# EAGLE board ControlModule-pan2 (EAGLE 7.2.0), part 6 of 9
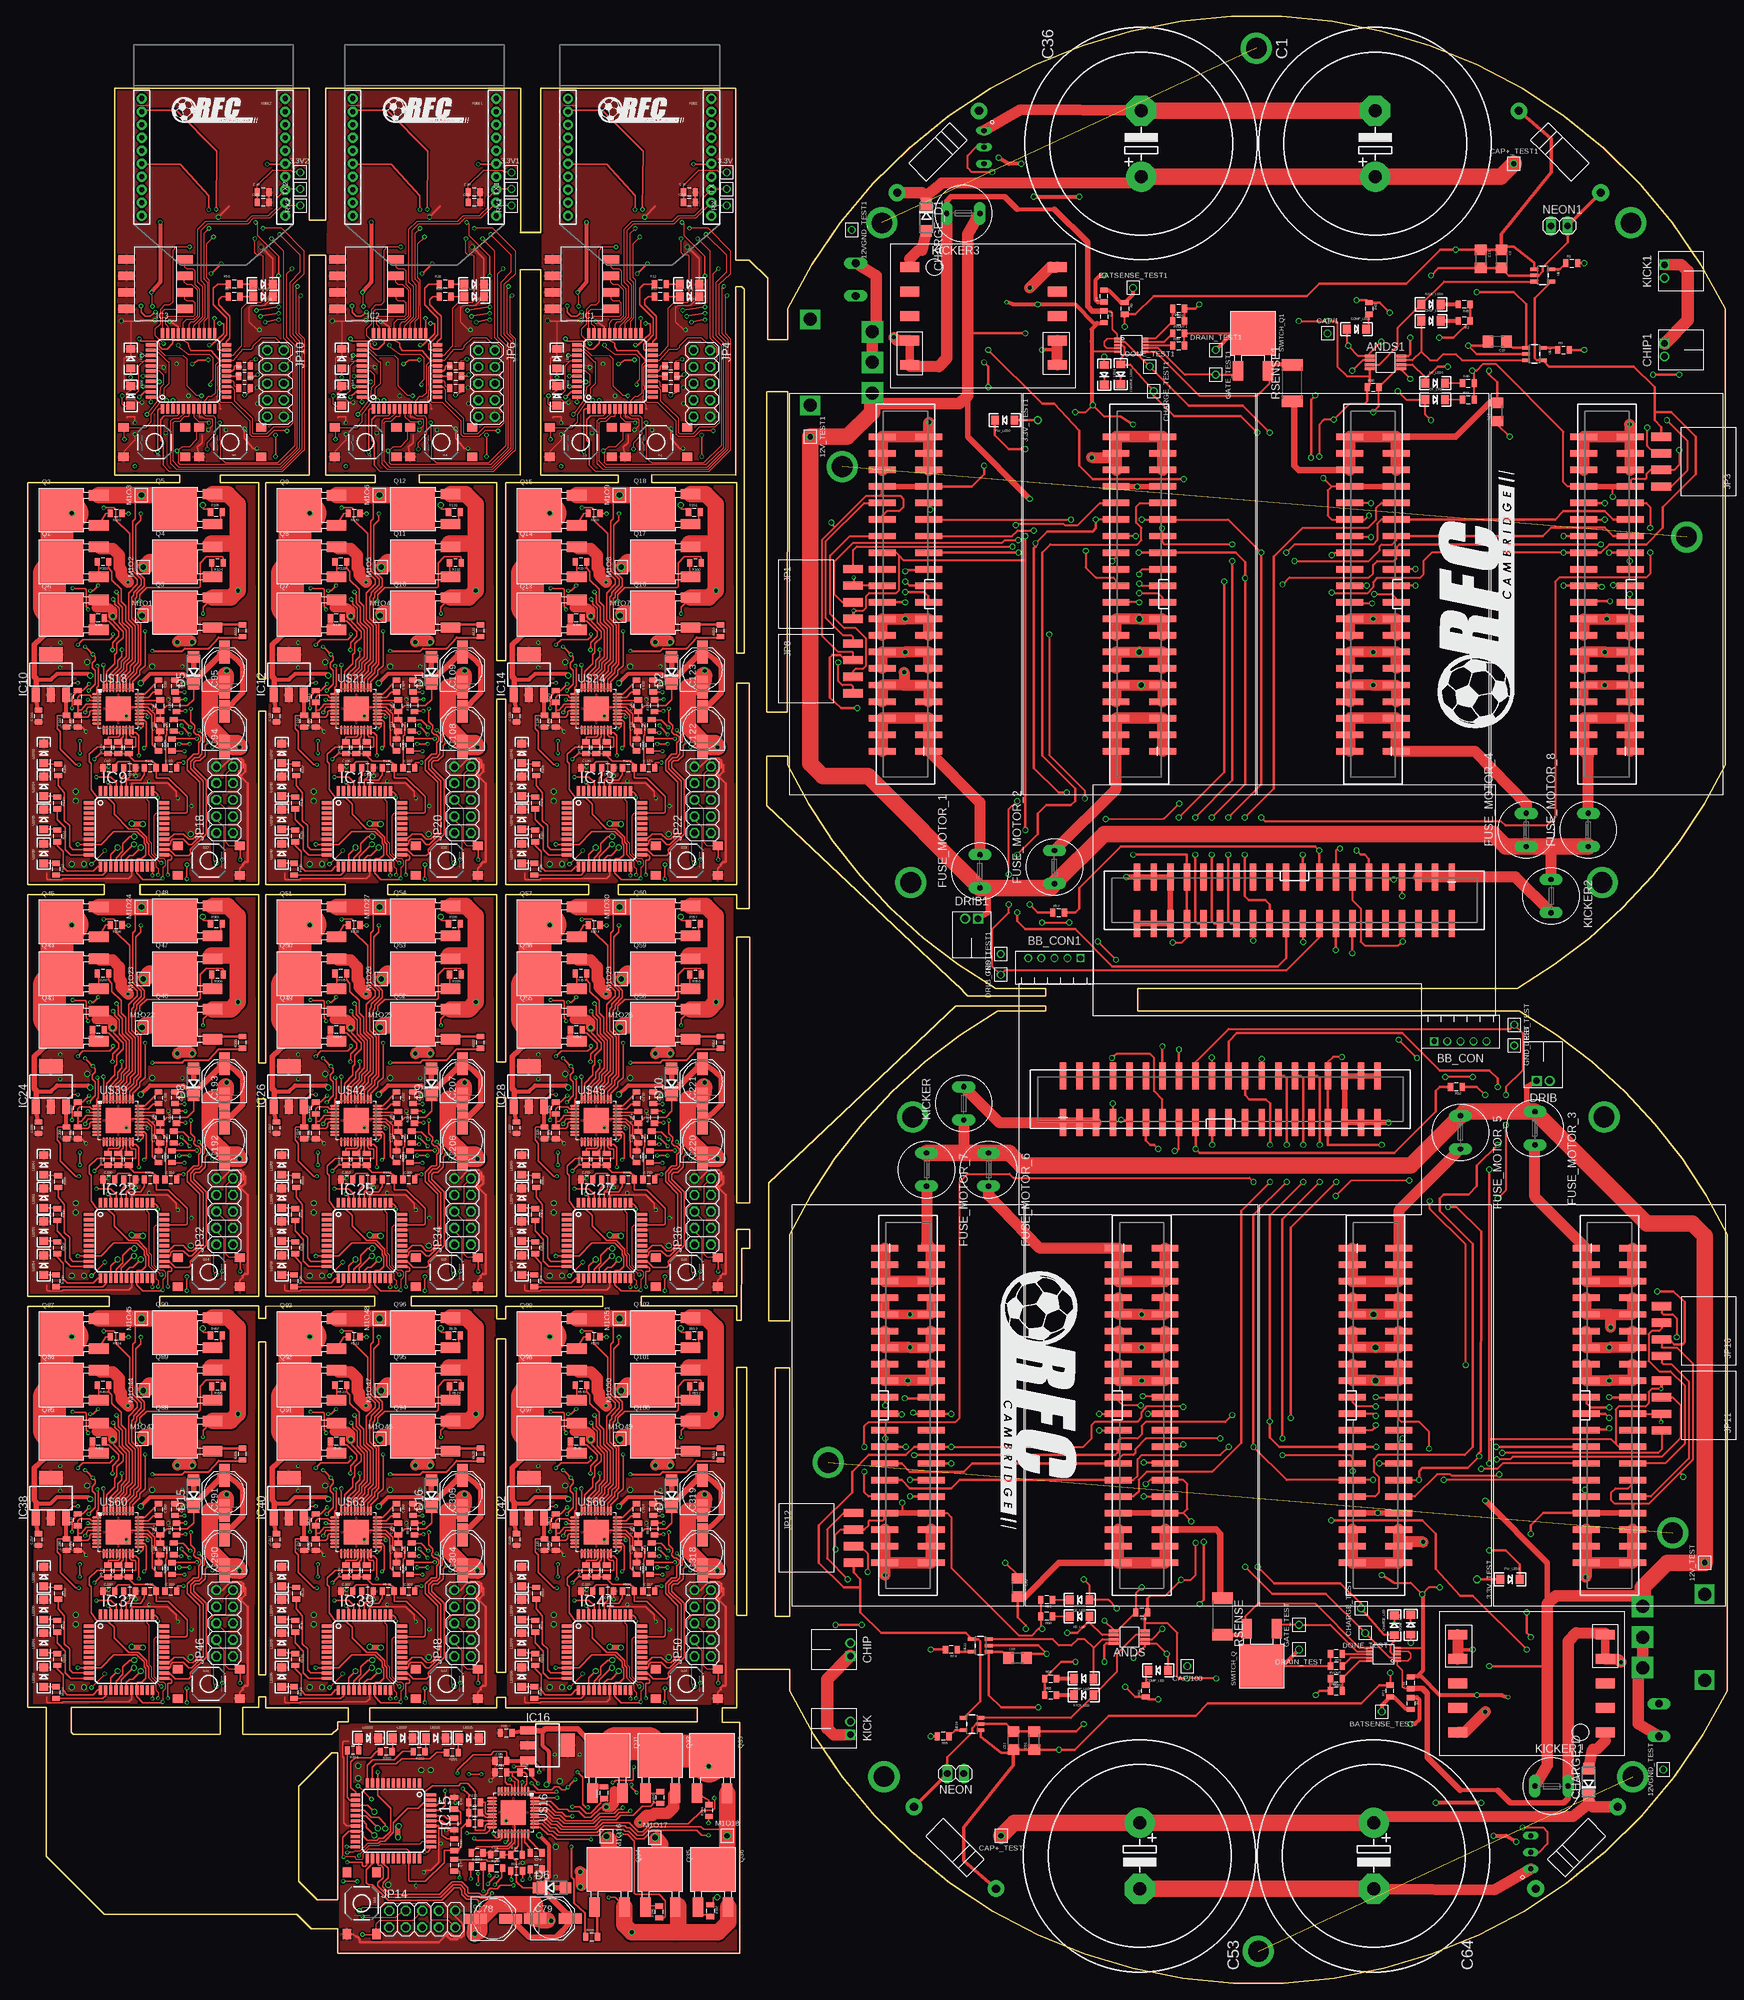
[diagram p0: board, top side]
## Tracks (layer width: path | path; a pad name or v marks a point on that pad's centre or on a via) (continued)
M1H28  (via drill 0.3) (continued)
  Bottom 0.254: 84.02,147.16 83.39,146.53 83.39,141.68 84,141.07 v84,138.99 84.11,138.82 84.18,138.75 84.49,138.43 89.82,138.43 91.88,136.37 93.39,136.37 93.63,136.13 JP35.21 | 84.02,147.16 84.03,147.16 | R366.1 81.01,151.93 80.9,151.98 R366.1 | 84.02,147.16 84.02,150.47 83.32,151.18 80.9,151.18 R366.1
M1H29  (via drill 0.3, 0.38)
  Top 0.254: v82.69,135.19 83.71,136.21 83.71,138.27 83.23,138.75 83.23,139.39 83.71,139.86 83.71,140.34 | 83.71,140.34 v82.12,141.93 | v82.6,147.64 82.6,147.8 82.28,148.12 82.28,150.66 82.12,150.82 80.38,150.82 v80.22,150.9 | v83.33,140.75 83.71,140.34 | U$45.3 82.68,133.65 v82.54,133.79
  Bottom 0.254: v82.12,141.93 82.12,147.16 v82.6,147.64 | v80.22,150.9 80.22,151.13 80.06,151.45 80.06,153.51 R368.1 | JP35.20 83.84,137.64 83.71,137.77 83.71,138.27 83.23,138.75 83.23,139.39 83.33,139.48 v83.33,140.75 | v82.54,133.79 82.54,135.04 v82.69,135.19
M1H30  (via drill 0.3)
  Top 0.254: U$45.5 82.51,132.65 82.22,131.92 v82.15,131.86 | v86.41,143.83 86.41,143.51 85.93,143.04 81.8,143.04 v81.01,142.24
  Bottom 0.254: R367.1 80.9,149.65 80.27,149.65 80.06,149.63 80.06,148.75 80.38,148.36 81.01,148.36 81.49,147.88 81.49,143.51 81.01,143.04 v81.01,142.24 81.01,137.27 81.65,136.63 81.65,132.88 v82.15,131.86 | JP35.19 93.63,138.51 93.87,138.75 95.93,138.75 96.41,139.23 96.41,141.51 97.14,142.24 97.14,143.04 96.35,143.83 92.28,143.83 92.12,143.67 86.88,143.67 86.73,143.83 v86.41,143.83
M1H43  (via drill 0.3)
  Top 0.254: U$60.1 10.58,72.45 10.81,72.68 10.81,75.6 v10.64,75.8 v10.66,75.8
  Bottom 0.254: 10.68,83.98 10.05,83.35 10.05,78.49 10.66,77.89 v10.66,75.8 10.77,75.64 10.83,75.57 11.15,75.25 16.48,75.25 18.54,73.19 20.05,73.19 20.29,72.95 JP45.21 | 10.68,83.98 | R506.1 7.67,88.74 7.56,88.8 R506.1 | 10.68,83.98 10.68,87.29 9.98,87.99 7.56,87.99 R506.1
M1H44  (via drill 0.3, 0.38)
  Top 0.254: v9.35,72.01 10.37,73.03 10.37,75.09 9.89,75.57 9.89,76.2 10.37,76.68 10.37,77.16 | 10.37,77.16 v8.78,78.74 | v9.26,84.46 9.26,84.62 8.94,84.93 8.94,87.47 8.78,87.63 7.03,87.63 v6.87,87.71 | v9.99,77.57 10.37,77.16 | U$60.3 9.34,70.47 v9.2,70.61
  Bottom 0.254: v8.78,78.74 8.78,83.98 v9.26,84.46 | v6.87,87.71 6.87,87.95 6.72,88.27 6.72,90.33 R508.1 | JP45.20 10.49,74.46 10.37,74.58 10.37,75.09 9.89,75.57 9.89,76.2 9.99,76.3 v9.99,77.57 | v9.2,70.61 9.2,71.86 v9.35,72.01
M1H45  (via drill 0.3)
  Top 0.254: U$60.5 9.16,69.47 8.87,68.73 v8.81,68.68 | v13.07,80.65 13.07,80.33 12.59,79.85 8.46,79.85 v7.67,79.06
  Bottom 0.254: R507.1 7.56,86.47 6.93,86.47 6.72,86.44 6.72,85.57 7.03,85.17 7.67,85.17 8.14,84.7 8.14,80.33 7.67,79.85 v7.67,79.06 7.67,74.08 8.3,73.45 8.3,69.69 v8.81,68.68 | JP45.19 20.29,75.33 20.53,75.57 22.59,75.57 23.07,76.04 23.07,78.33 23.8,79.06 23.8,79.85 23,80.65 18.94,80.65 18.78,80.49 13.54,80.49 13.38,80.65 v13.07,80.65
M1H46  (via drill 0.3)
  Top 0.254: U$63.1 47.09,72.45 47.32,72.68 47.32,75.6 47.16,75.8 v47.17,75.8
  Bottom 0.254: 47.19,83.98 46.56,83.35 46.56,78.49 47.17,77.89 v47.17,75.8 47.28,75.64 47.35,75.57 47.66,75.25 52.99,75.25 55.05,73.19 56.56,73.19 56.8,72.95 JP47.21 | 47.19,83.98 47.2,83.98 | R534.1 44.18,88.74 44.07,88.8 R534.1 | 47.19,83.98 47.19,87.29 46.49,87.99 44.07,87.99 R534.1
M1H47  (via drill 0.3, 0.38)
  Top 0.254: v45.86,72.01 46.88,73.03 46.88,75.09 46.4,75.57 46.4,76.2 46.88,76.68 46.88,77.16 | 46.88,77.16 v45.29,78.74 | v45.77,84.46 45.77,84.62 45.45,84.93 45.45,87.47 45.29,87.63 43.55,87.63 v43.39,87.71 | v46.5,77.57 46.88,77.16 | U$63.3 45.85,70.47 v45.71,70.61
  Bottom 0.254: v45.29,78.74 45.29,83.98 v45.77,84.46 | v43.39,87.71 43.39,87.95 43.23,88.27 43.23,90.33 R536.1 | JP47.20 47.01,74.46 46.88,74.58 46.88,75.09 46.4,75.57 46.4,76.2 46.5,76.3 v46.5,77.57 | v45.71,70.61 45.71,71.86 v45.86,72.01
M1H48  (via drill 0.3)
  Top 0.254: U$63.5 45.68,69.47 45.39,68.73 v45.32,68.68 | v49.58,80.65 49.58,80.33 49.1,79.85 44.97,79.85 v44.18,79.06
  Bottom 0.254: R535.1 44.07,86.47 43.44,86.47 43.23,86.44 43.23,85.57 43.55,85.17 44.18,85.17 44.66,84.7 44.66,80.33 44.18,79.85 v44.18,79.06 44.18,74.08 44.82,73.45 44.82,69.69 v45.32,68.68 | JP47.19 56.8,75.33 57.04,75.57 59.1,75.57 59.58,76.04 59.58,78.33 60.31,79.06 60.31,79.85 59.52,80.65 55.45,80.65 55.29,80.49 50.05,80.49 49.9,80.65 v49.58,80.65
M1H49  (via drill 0.3)
  Top 0.254: U$66.1 83.92,72.45 84.15,72.68 84.15,75.6 83.99,75.8 v84,75.8
  Bottom 0.254: 84.02,83.98 83.39,83.35 83.39,78.49 84,77.89 v84,75.8 84.11,75.64 84.18,75.57 84.49,75.25 89.82,75.25 91.88,73.19 93.39,73.19 93.63,72.95 JP49.21 | 84.02,83.98 84.03,83.98 | R562.1 81.01,88.74 80.9,88.8 R562.1 | 84.02,83.98 84.02,87.29 83.32,87.99 80.9,87.99 R562.1
M1H50  (via drill 0.3, 0.38)
  Top 0.254: v82.69,72.01 83.71,73.03 83.71,75.09 83.23,75.57 83.23,76.2 83.71,76.68 83.71,77.16 | 83.71,77.16 v82.12,78.74 | v82.6,84.46 82.6,84.62 82.28,84.93 82.28,87.47 82.12,87.63 80.38,87.63 v80.22,87.71 | v83.33,77.57 83.71,77.16 | U$66.3 82.68,70.47 v82.54,70.61
  Bottom 0.254: v82.12,78.74 82.12,83.98 v82.6,84.46 | v80.22,87.71 80.22,87.95 80.06,88.27 80.06,90.33 R564.1 | JP49.20 83.84,74.46 83.71,74.58 83.71,75.09 83.23,75.57 83.23,76.2 83.33,76.3 v83.33,77.57 | v82.54,70.61 82.54,71.86 v82.69,72.01
M1H51  (via drill 0.3)
  Top 0.254: U$66.5 82.51,69.47 82.22,68.73 v82.15,68.68 | v86.41,80.65 86.41,80.33 85.93,79.85 81.8,79.85 v81.01,79.06
  Bottom 0.254: R563.1 80.9,86.47 80.27,86.47 80.06,86.44 80.06,85.57 80.38,85.17 81.01,85.17 81.49,84.7 81.49,80.33 81.01,79.85 v81.01,79.06 81.01,74.08 81.65,73.45 81.65,69.69 v82.15,68.68 | JP49.19 93.63,75.33 93.87,75.57 95.93,75.57 96.41,76.04 96.41,78.33 97.14,79.06 97.14,79.85 96.35,80.65 92.28,80.65 92.12,80.49 86.88,80.49 86.73,80.65 v86.41,80.65
M1O1  (via drill 0.6)
  Top 0.254: U$18.39 12.11,201.29 13.35,202.54 13.35,203.87 13.67,204.19 13.67,205.58 14.62,206.54 14.62,207.46 13.16,208.98 13.11,209.24 13.15,209.24 13.15,209.32 | 13.15,209.32 | 13.15,209.32 13.15,209.7 v13.02,209.83
  Top 0.305: 11.64,212.25 10.96,212.25 Q6.SOURCE
  Top 0.813: 11.64,211.14 11.64,212.25 | Q3.DRAIN 22.27,210.03 22.27,209.87 20.73,209.87 20.65,209.95 | 20.13,209.95 20.08,210 20.04,210 | M1O1.P$1 17.79,210.29 18.02,210.19
  Top 1.422: 11.64,211.14 10.5,211.08 12.5,211.07 13.02,210.62 v13.02,209.83
  Top 2.54: 18.02,210.19 20.37,210.18 | 20.65,209.95 20.47,210.13 20.37,210.18 | 20.37,210.18 20.13,209.95
  Bottom 0.406: JP17.12 13,210.84 12.77,210.84 13.15,210.45 13.15,209.32
  Bottom 0.813: JP17.11 20.08,210.78 20.08,209.87 19.92,209.87 19.66,210.13 19.95,210.13 20.13,209.95 | v13.02,209.83 13.16,209.78 | 13.16,209.78 13.16,209.71 | JP17.14 13.15,209.32 13.16,209.78 | JP17.13 20.29,209.35 19.92,209.71 | 20.13,209.95 20.15,209.98 | 20.13,209.95 17.59,209.95 M1O1.P$1
  Bottom 2.54: 20.08,209.87 19.92,209.71 13.16,209.71
M1O2  (via drill 0.38)
  Top 0.254: U$18.36 13.61,200.57 14.75,201.71 14.75,202.57 15.54,203.36 15.54,207.87 14.49,208.92 14.49,211.2 13.86,211.84 13.86,213.14 v13.6,213.52 | 11.11,220.19 Q1.SOURCE
  Top 0.813: 22.58,217.32 22.58,217.64 Q4.DRAIN | 13.97,219.25 13.97,219.21 14,219.17 | M1O2.P$1 17.85,217.45
  Top 1.422: 17.85,217.45 17.94,217.55 18.15,217.55
  Top 1.778: 11.11,220.19 13.03,220.19 13.97,219.25 | 14,219.17 14,217.27 14.32,216.95 14.32,216.07 v15.4,215
  Top 2.54: 18.15,217.55 18.73,218.13 Q4.DRAIN
  Bottom 0.254: JP17.9 21.39,214.63 21.39,214.74 | v13.6,213.52 13.36,213.31 JP17.10 | JP17.8 13.15,215.44 12.55,214.83
  Bottom 0.813: 12.55,214.83 12.55,214.12 JP17.10 | JP17.7 20.29,215.41 20.88,214.82
  Bottom 1.422: M1O2.P$1 17.7,215.76 18,216.07 18.89,216.07
  Bottom 1.778: v15.4,215 15.14,214.82 | 15.14,214.82
  Bottom 2.54: 12.55,214.83 15.14,214.82 20.88,214.82 21.31,214.82 21.39,214.74 | JP17.7 18.89,216.07
M1O3  (via drill 0.6)
  Top 0.254: U$18.33 15.11,200.17 16.24,201.3 | 16.24,201.3 | 23.23,226.06 23.23,226.14 21,228.37 | 16.24,201.3 16.24,201.97 16.91,202.65 16.91,208.42 15.91,209.42 15.91,212.7 16.21,213 16.21,213.45 17.38,214.62 17.38,215.45 16.07,216.77 16.07,224.37 16.46,224.76 16.46,227.17 16.59,227.3 17.35,227.3 17.48,227.43 17.48,228.32 M1O3.P$1
  Top 0.813: 21,228.37 23.23,228.37 | 23.23,226.06 22.75,226.06 Q5.DRAIN | v25.23,205.84 25.06,206
  Top 1.676: 25.06,206 23.1,206 v22.94,205.84
  Top 2.54: Q2.SOURCE M1O3.P$1 21,228.37
  Bottom 0.254: 14.71,205.9 14.48,205.71 11.93,205.71 12.27,205.36 12.27,203.49 13.02,203.49 JP17.18
  Bottom 0.61: 17.35,228.29 M1O3.P$1
  Bottom 0.813: v22.94,205.84 20.81,205.84 | 20.81,205.84 20.35,205.84 JP17.15 | JP17.17 21.16,203.36 21.22,203.43 21.22,203.88 21.19,203.91 | 21.11,205.26 21.11,205.54 20.81,205.84 | JP17.16 11.71,205.9 11.65,205.82
  Bottom 1.27: v25.23,205.84 25.78,206.39 25.78,206.42 | 14.71,205.9 20.23,205.9 JP17.15
  Bottom 1.422: 11.65,205.82 11.66,204.04 12.27,203.49
  Bottom 1.778: 25.78,206.42 25.78,207.16 24.65,208.29 24.65,225.2 21.48,228.37 M1O3.P$1 | 21.19,203.91 21.19,205.18 21.11,205.26
M1O4  (via drill 0.6)
  Top 0.254: U$21.39 48.62,201.29 49.86,202.54 49.86,203.87 50.18,204.19 50.18,205.58 51.13,206.54 51.13,207.46 49.67,208.98 49.62,209.24 49.66,209.24 49.66,209.32 49.67,209.32 49.67,209.7 v49.53,209.83
  Top 0.305: 48.15,212.25 47.47,212.25 Q7.SOURCE
  Top 0.813: 48.15,211.14 48.15,212.25 | Q10.DRAIN 58.79,210.03 58.79,209.87 57.25,209.87 57.16,209.95 | 56.64,209.95 56.59,210 56.55,210 | M1O4.P$1 54.3,210.29 54.53,210.19
  Top 1.422: 48.15,211.14 47.01,211.08 49.02,211.07 49.53,210.62 v49.53,209.83
  Top 2.54: 54.53,210.19 56.88,210.18 | 57.16,209.95 56.98,210.13 56.88,210.18 | 56.88,210.18 56.64,209.95
  Bottom 0.406: JP19.12 49.52,210.84 49.28,210.84 49.67,210.45 49.67,209.32
  Bottom 0.813: JP19.11 56.59,210.78 56.59,209.87 56.43,209.87 56.17,210.13 56.46,210.13 56.64,209.95 | v49.53,209.83 49.67,209.78 | 49.67,209.78 49.67,209.71 | JP19.14 49.67,209.32 49.67,209.78 | JP19.13 56.8,209.35 56.43,209.71 | 56.64,209.95 56.67,209.98 | 56.64,209.95 54.11,209.95 M1O4.P$1
  Bottom 2.54: 56.59,209.87 56.43,209.71 49.67,209.71
M1O5  (via drill 0.38)
  Top 0.254: U$21.36 50.12,200.57 51.26,201.71 51.26,202.57 52.05,203.36 52.05,207.87 51.01,208.92 51.01,211.2 50.37,211.84 50.37,213.14 v50.11,213.52 | 47.63,220.19 Q8.SOURCE
  Top 0.813: 59.09,217.32 59.1,217.64 Q11.DRAIN | 50.48,219.25 50.48,219.21 50.51,219.17 | M1O5.P$1 54.36,217.45
  Top 1.422: 54.36,217.45 54.46,217.55 54.67,217.55
  Top 1.778: 47.63,220.19 49.54,220.19 50.48,219.25 | 50.51,219.17 50.51,217.27 50.83,216.95 50.83,216.07 v51.91,215
  Top 2.54: 54.67,217.55 55.24,218.13 Q11.DRAIN
  Bottom 0.254: JP19.9 57.9,214.63 57.9,214.74 | v50.11,213.52 49.88,213.31 JP19.10 | JP19.8 49.66,215.44 49.06,214.83
  Bottom 0.813: 49.06,214.83 49.06,214.12 JP19.10 | JP19.7 56.8,215.41 57.39,214.82
  Bottom 1.422: M1O5.P$1 54.21,217.3 54.21,215.76 54.52,216.07 55.4,216.07
  Bottom 1.778: v51.91,215 51.65,214.82
  Bottom 2.54: 49.06,214.83 51.65,214.82 57.39,214.82 57.82,214.82 57.9,214.74 | JP19.7 55.4,216.07
M1O6  (via drill 0.6)
  Top 0.254: U$21.33 51.62,200.17 52.75,201.3 | 52.75,201.3 | 59.74,226.06 59.74,226.14 57.52,228.37 | 52.75,201.3 52.75,201.97 53.42,202.65 53.42,208.42 52.43,209.42 52.43,212.7 52.72,213 52.72,213.45 53.9,214.62 53.9,215.45 52.58,216.77 52.58,224.37 52.97,224.76 52.97,227.17 53.1,227.3 53.86,227.3 53.99,227.43 53.99,228.32 M1O6.P$1
  Top 0.813: 57.52,228.37 59.74,228.37 | 59.74,226.06 59.26,226.06 Q12.DRAIN | v61.74,205.84 61.58,206
  Top 1.676: 61.58,206 59.62,206 v59.45,205.84
  Top 2.54: Q9.SOURCE M1O6.P$1 57.52,228.37
  Bottom 0.254: 51.23,205.9 50.99,205.71 48.44,205.71 48.78,205.36 48.78,203.49 49.54,203.49 JP19.18
  Bottom 0.61: 53.86,228.29 M1O6.P$1
  Bottom 0.813: v59.45,205.84 57.32,205.84 | 57.32,205.84 56.86,205.84 JP19.15 | JP19.17 57.67,203.36 57.73,203.43 57.73,203.88 57.7,203.91 | 57.62,205.26 57.62,205.54 57.32,205.84 | JP19.16 48.22,205.9 48.17,205.82
  Bottom 1.27: v61.74,205.84 62.29,206.39 62.29,206.42 | 51.23,205.9 56.74,205.9 JP19.15
  Bottom 1.422: 48.17,205.82 48.18,204.04 48.78,203.49
  Bottom 1.778: 62.29,206.42 62.29,207.16 61.16,208.29 61.16,225.2 58,228.37 M1O6.P$1 | 57.7,203.91 57.7,205.18 57.62,205.26
M1O7  (via drill 0.6)
  Top 0.254: U$24.39 85.45,201.29 86.69,202.54 86.69,203.87 87.01,204.19 87.01,205.58 87.96,206.54 87.96,207.46 86.5,208.98 86.45,209.24 86.49,209.24 86.49,209.32 86.5,209.32 86.5,209.7 v86.36,209.83
  Top 0.305: 84.98,212.25 84.3,212.25 Q13.SOURCE
  Top 0.813: 84.98,211.14 84.98,212.25 | Q16.DRAIN 95.62,210.03 95.62,209.87 94.08,209.87 93.99,209.95 | 93.47,209.95 93.42,210 93.38,210 | M1O7.P$1 91.13,210.29 91.36,210.19
  Top 1.422: 84.98,211.14 83.84,211.08 85.85,211.07 86.36,210.62 v86.36,209.83
  Top 2.54: 91.36,210.19 93.71,210.18 | 93.99,209.95 93.81,210.13 93.71,210.18 | 93.71,210.18 93.47,209.95
  Bottom 0.406: JP21.12 86.35,210.84 86.11,210.84 86.5,210.45 86.5,209.32
  Bottom 0.813: JP21.11 93.42,210.78 93.42,209.87 93.26,209.87 93,210.13 93.29,210.13 93.47,209.95 | v86.36,209.83 86.5,209.78 | 86.5,209.78 86.5,209.71 | JP21.14 86.5,209.32 86.5,209.78 | JP21.13 93.63,209.35 93.26,209.71 | 93.47,209.95 93.5,209.98 | 93.47,209.95 90.94,209.95 M1O7.P$1
  Bottom 2.54: 93.42,209.87 93.26,209.71 86.5,209.71
M1O8  (via drill 0.38)
  Top 0.254: U$24.36 86.95,200.57 88.09,201.71 88.09,202.57 88.88,203.36 88.88,207.87 87.84,208.92 87.84,211.2 87.2,211.84 87.2,213.14 v86.94,213.52 | 84.46,220.19 Q14.SOURCE
  Top 0.813: 95.92,217.32 95.93,217.64 Q17.DRAIN | 87.31,219.25 87.31,219.21 87.34,219.17 | M1O8.P$1 91.19,217.45
  Top 1.422: 91.19,217.45 91.29,217.55 91.5,217.55
  Top 1.778: 84.46,220.19 86.37,220.19 87.31,219.25 | 87.34,219.17 87.34,217.27 87.66,216.95 87.66,216.07 v88.74,215
  Top 2.54: 91.5,217.55 92.07,218.13 Q17.DRAIN
  Bottom 0.254: JP21.9 94.73,214.63 94.73,214.74 | v86.94,213.52 86.71,213.31 JP21.10 | JP21.8 86.49,215.44 85.89,214.83
  Bottom 0.813: 85.89,214.83 85.89,214.12 JP21.10 | JP21.7 93.63,215.41 94.22,214.82
  Bottom 1.422: M1O8.P$1 91.04,217.3 91.04,215.76 91.35,216.07 92.23,216.07
  Bottom 1.778: v88.74,215 88.48,214.82
  Bottom 2.54: 85.89,214.83 88.48,214.82 94.22,214.82 94.65,214.82 94.73,214.74 | JP21.7 92.23,216.07
M1O9  (via drill 0.6)
  Top 0.254: U$24.33 88.45,200.17 89.58,201.3 | 89.58,201.3 | 96.57,226.06 96.57,226.14 94.35,228.37 | 89.58,201.3 89.58,201.97 90.25,202.65 90.25,208.42 89.26,209.42 89.26,212.7 89.55,213 89.55,213.45 90.73,214.62 90.73,215.45 89.41,216.77 89.41,224.37 89.8,224.76 89.8,227.17 89.93,227.3 90.69,227.3 90.82,227.43 90.82,228.32 M1O9.P$1
  Top 0.813: 94.35,228.37 96.57,228.37 | 96.57,226.06 96.09,226.06 Q18.DRAIN | v98.57,205.84 98.41,206
  Top 1.676: 98.41,206 96.45,206 v96.28,205.84
  Top 2.54: Q15.SOURCE M1O9.P$1 94.35,228.37
  Bottom 0.254: 88.06,205.9 87.82,205.71 85.27,205.71 85.61,205.36 85.61,203.49 86.37,203.49 JP21.18
  Bottom 0.61: 90.69,228.29 M1O9.P$1
  Bottom 0.813: v96.28,205.84 94.15,205.84 | 94.15,205.84 93.69,205.84 JP21.15 | JP21.17 94.5,203.36 94.56,203.43 94.56,203.88 94.53,203.91 | 94.45,205.26 94.45,205.54 94.15,205.84 | JP21.16 85.05,205.9 85,205.82
  Bottom 1.27: v98.57,205.84 99.12,206.39 99.12,206.42 | 88.06,205.9 93.57,205.9 JP21.15
  Bottom 1.422: 85,205.82 85.01,204.04 85.61,203.49
  Bottom 1.778: 99.12,206.42 99.12,207.16 97.99,208.29 97.99,225.2 94.83,228.37 M1O9.P$1 | 94.53,203.91 94.53,205.18 94.45,205.26
M1O16  (via drill 0.6)
  Top 0.254: U$16.39 80.21,27.95 81.45,26.71 82.78,26.71 83.1,26.39 84.5,26.39 85.45,25.44 86.37,25.44 87.89,26.9 88.15,26.95 88.15,26.9 88.23,26.9 88.61,26.9 v88.74,27.03
  Top 0.305: 91.16,28.42 91.16,29.1 Q31.SOURCE
  Top 0.813: 90.05,28.42 91.16,28.42 | Q34.DRAIN 88.94,17.78 88.78,17.78 88.78,19.32 88.87,19.4 | 88.87,19.93 88.92,19.98 88.92,20.02 | M1O16.P$1 89.2,22.27 89.1,22.04
  Top 1.422: 90.05,28.42 89.99,29.56 89.98,27.55 89.53,27.03 v88.74,27.03
  Top 2.54: 89.1,22.04 89.09,19.69 | 88.87,19.4 89.05,19.59 89.09,19.69 | 89.09,19.69 88.87,19.93
  Bottom 0.406: JP13.12 89.75,27.05 89.75,27.29 89.37,26.9 88.23,26.9
  Bottom 0.813: JP13.11 89.69,19.98 88.78,19.98 88.78,20.13 89.05,20.4 89.05,20.11 88.87,19.93 | v88.74,27.03 88.69,26.9 | 88.69,26.9 88.62,26.9 | JP13.14 88.23,26.9 88.69,26.9 | JP13.13 88.26,19.77 88.62,20.13 | 88.87,19.93 88.89,19.9 | 88.87,19.93 88.87,22.46 M1O16.P$1
  Bottom 2.54: 88.78,19.98 88.62,20.13 88.62,26.9
M1O17  (via drill 0.38)
  Top 0.254: U$16.36 79.48,26.45 80.62,25.31 81.48,25.31 82.27,24.51 86.78,24.51 87.83,25.56 90.12,25.56 90.75,26.2 92.05,26.2 v92.43,26.45 | 99.1,28.94 Q32.SOURCE
  Top 0.813: 96.23,17.48 96.55,17.47 Q35.DRAIN | 98.16,26.09 98.12,26.09 98.08,26.06 | M1O17.P$1 96.37,22.21
  Top 1.422: 96.37,22.21 96.46,22.11 96.46,21.9
  Top 1.778: 99.1,28.94 99.1,27.03 98.16,26.09 | 98.08,26.06 96.18,26.06 95.86,25.73 94.98,25.73 v93.91,24.66
  Top 2.54: 96.46,21.9 97.04,21.33 Q35.DRAIN
  Bottom 0.254: JP13.9 93.54,18.67 93.65,18.67 | v92.43,26.45 92.22,26.69 JP13.10 | JP13.8 94.35,26.91 93.74,27.5
  Bottom 0.813: 93.74,27.5 93.03,27.5 JP13.10 | JP13.7 94.32,19.77 93.73,19.18
  Bottom 1.422: M1O17.P$1 94.68,22.36 94.98,22.05 94.98,21.17
  Bottom 1.778: v93.91,24.66 93.74,24.92
  Bottom 2.54: 93.74,27.5 93.74,24.92 93.73,19.18 93.73,18.75 93.65,18.67 | JP13.7 94.98,21.17
M1O18  (via drill 0.6)
  Top 0.254: U$16.33 79.08,24.95 80.21,23.82 | 80.21,23.82 | 104.97,16.83 105.05,16.83 107.28,19.05 | 80.21,23.82 80.88,23.82 81.56,23.14 87.33,23.14 88.33,24.14 91.61,24.14 91.91,23.84 92.36,23.84 93.53,22.67 94.36,22.67 95.68,23.98 103.28,23.98 103.67,23.59 106.09,23.59 106.21,23.47 106.21,22.7 106.34,22.58 107.23,22.58 M1O18.P$1
  Top 0.813: 107.28,19.05 107.28,16.83 | 104.97,16.83 104.97,17.31 Q36.DRAIN | v84.75,14.83 84.91,14.99
  Top 1.676: 84.91,14.99 84.91,16.95 v84.75,17.12
  Top 2.54: Q33.SOURCE M1O18.P$1 107.28,19.05
  Bottom 0.254: 84.81,25.34 84.62,25.58 84.62,28.13 84.27,27.79 82.4,27.79 82.4,27.03 JP13.18
  Bottom 0.61: 107.2,22.7 M1O18.P$1
  Bottom 0.813: v84.75,17.12 84.75,19.25 | 84.75,19.25 84.75,19.71 JP13.15 | JP13.17 82.27,18.9 82.34,18.83 82.79,18.83 82.83,18.87 | 84.18,18.95 84.45,18.95 84.75,19.25 | JP13.16 84.81,28.35 84.73,28.4
  Bottom 1.27: v84.75,14.83 85.3,14.28 85.33,14.28 | 84.81,25.34 84.81,19.83 JP13.15
  Bottom 1.422: 84.73,28.4 82.95,28.39 82.4,27.79
  Bottom 1.778: 85.33,14.28 86.07,14.28 87.2,15.41 104.11,15.41 107.28,18.57 M1O18.P$1 | 82.83,18.87 84.09,18.87 84.18,18.95
M1O22  (via drill 0.6)
  Top 0.254: U$39.39 12.11,138.11 13.35,139.35 13.35,140.69 13.67,141.01 13.67,142.4 14.62,143.35 14.62,144.28 13.16,145.8 13.11,146.06 13.15,146.06 13.15,146.14 13.15,146.51 v13.02,146.64
  Top 0.305: 11.64,149.07 10.96,149.07 Q43.SOURCE
  Top 0.813: 11.64,147.96 11.64,149.07 | Q46.DRAIN 22.27,146.85 22.27,146.69 20.73,146.69 20.65,146.77 | 20.13,146.77 20.08,146.82 20.04,146.82 | M1O22.P$1 17.79,147.11 18.02,147.01
  Top 1.422: 11.64,147.96 10.5,147.89 12.5,147.89 13.02,147.44 v13.02,146.64
  Top 2.54: 18.02,147.01 20.37,147 | 20.65,146.77 20.47,146.95 20.37,147 | 20.37,147 20.13,146.77
  Bottom 0.406: JP31.12 13,147.66 12.77,147.66 13.15,147.27 13.15,146.14
  Bottom 0.813: JP31.11 20.08,147.6 20.08,146.69 19.92,146.69 19.66,146.95 19.95,146.95 20.13,146.77 | v13.02,146.64 13.16,146.59 | 13.16,146.59 13.16,146.53 | JP31.14 13.15,146.14 13.16,146.59 | JP31.13 20.29,146.17 19.92,146.53 | 20.13,146.77 20.15,146.79 | 20.13,146.77 17.59,146.77 M1O22.P$1
  Bottom 2.54: 20.08,146.69 19.92,146.53 13.16,146.53
M1O23  (via drill 0.38)
  Top 0.254: U$39.36 13.61,137.39 14.75,138.53 14.75,139.39 15.54,140.18 15.54,144.69 14.49,145.74 14.49,148.02 13.86,148.66 13.86,149.95 v13.6,150.34 | 11.11,157.01 Q44.SOURCE
  Top 0.813: 22.58,154.14 22.58,154.46 Q47.DRAIN | 13.97,156.07 13.97,156.02 14,155.99 | M1O23.P$1 17.85,154.27
  Top 1.422: 17.85,154.27 17.94,154.37 18.15,154.37
  Top 1.778: 11.11,157.01 13.03,157.01 13.97,156.07 | 14,155.99 14,154.09 14.32,153.77 14.32,152.89 v15.4,151.81
  Top 2.54: 18.15,154.37 18.73,154.94 Q47.DRAIN
  Bottom 0.254: JP31.9 21.39,151.44 21.39,151.56 | v13.6,150.34 13.36,150.12 JP31.10 | JP31.8 13.15,152.25 12.55,151.64
  Bottom 0.813: 12.55,151.64 12.55,150.94 JP31.10 | JP31.7 20.29,152.23 20.88,151.64
  Bottom 1.422: M1O23.P$1 17.7,152.58 18,152.89 18.89,152.89
  Bottom 1.778: v15.4,151.81 15.14,151.64
  Bottom 2.54: 12.55,151.64 15.14,151.64 20.88,151.64 21.31,151.64 21.39,151.56 | JP31.7 18.89,152.89
M1O25  (via drill 0.6)
  Top 0.254: U$39.33 15.11,136.98 16.24,138.11 | 16.24,138.11 16.24,138.12 | 23.23,162.88 23.23,162.96 21,165.18 | 16.24,138.11 16.24,138.79 16.91,139.47 16.91,145.24 15.91,146.24 15.91,149.51 16.21,149.81 16.21,150.27 17.38,151.44 17.38,152.27 16.07,153.58 16.07,161.19 16.46,161.58 16.46,163.99 16.59,164.12 17.35,164.12 17.48,164.25 17.48,165.14 M1O24.P$1
  Top 0.813: 21,165.18 23.23,165.18 | 23.23,162.88 22.75,162.88 Q48.DRAIN | v25.23,142.66 25.06,142.82
  Top 1.676: 25.06,142.82 23.1,142.82 v22.94,142.66
  Top 2.54: Q45.SOURCE M1O24.P$1 21,165.18
  Bottom 0.254: 14.71,142.72 14.48,142.52 11.93,142.52 12.27,142.18 12.27,140.3 13.02,140.3 JP31.18
  Bottom 0.61: 17.35,165.1 M1O24.P$1
  Bottom 0.813: v22.94,142.66 20.81,142.66 | 20.81,142.66 20.35,142.66 JP31.15 | JP31.17 21.16,140.18 21.22,140.25 21.22,140.7 21.19,140.73 | 21.11,142.08 21.11,142.36 20.81,142.66 | JP31.16 11.71,142.72 11.65,142.64
  Bottom 1.27: v25.23,142.66 25.78,143.21 25.78,143.24 | 14.71,142.72 20.23,142.72 JP31.15
  Bottom 1.422: 11.65,142.64 11.66,140.85 12.27,140.3
  Bottom 1.778: 25.78,143.24 25.78,143.97 24.65,145.1 24.65,162.02 21.48,165.18 M1O24.P$1 | 21.19,140.73 21.19,142 21.11,142.08
M1O26  (via drill 0.6)
  Top 0.254: U$42.39 48.62,138.11 49.86,139.35 49.86,140.69 50.18,141.01 50.18,142.4 51.13,143.35 51.13,144.28 49.67,145.8 49.62,146.06 49.66,146.06 49.66,146.14 49.67,146.14 49.67,146.51 v49.53,146.64
  Top 0.305: 48.15,149.07 47.47,149.07 Q49.SOURCE
  Top 0.813: 48.15,147.96 48.15,149.07 | Q52.DRAIN 58.79,146.85 58.79,146.69 57.25,146.69 57.16,146.77 | 56.64,146.77 56.59,146.82 56.55,146.82 | M1O25.P$1 54.3,147.11 54.53,147.01
  Top 1.422: 48.15,147.96 47.01,147.89 49.02,147.89 49.53,147.44 v49.53,146.64
  Top 2.54: 54.53,147.01 56.88,147 | 57.16,146.77 56.98,146.95 56.88,147 | 56.88,147 56.64,146.77
  Bottom 0.406: JP33.12 49.52,147.66 49.28,147.66 49.67,147.27 49.67,146.14
  Bottom 0.813: JP33.11 56.59,147.6 56.59,146.69 56.43,146.69 56.17,146.95 56.46,146.95 56.64,146.77 | v49.53,146.64 49.67,146.59 | 49.67,146.59 49.67,146.53 | JP33.14 49.67,146.14 49.67,146.59 | JP33.13 56.8,146.17 56.43,146.53 | 56.64,146.77 56.67,146.79 | 56.64,146.77 54.11,146.77 M1O25.P$1
  Bottom 2.54: 56.59,146.69 56.43,146.53 49.67,146.53
M1O27  (via drill 0.38)
  Top 0.254: U$42.36 50.12,137.39 51.26,138.53 51.26,139.39 52.05,140.18 52.05,144.69 51.01,145.74 51.01,148.02 50.37,148.66 50.37,149.95 v50.11,150.34 | 47.63,157.01 Q50.SOURCE
  Top 0.813: 59.09,154.14 59.1,154.46 Q53.DRAIN | 50.48,156.07 50.48,156.02 50.51,155.99 | M1O26.P$1 54.36,154.27
  Top 1.422: 54.36,154.27 54.46,154.37 54.67,154.37
  Top 1.778: 47.63,157.01 49.54,157.01 50.48,156.07 | 50.51,155.99 50.51,154.09 50.83,153.77 50.83,152.89 v51.91,151.81
  Top 2.54: 54.67,154.37 55.24,154.94 Q53.DRAIN
  Bottom 0.254: JP33.9 57.9,151.44 57.9,151.56 | v50.11,150.34 49.88,150.12 JP33.10 | JP33.8 49.66,152.25 49.06,151.64
  Bottom 0.813: 49.06,151.64 49.06,150.94 JP33.10 | JP33.7 56.8,152.23 57.39,151.64
  Bottom 1.422: M1O26.P$1 54.21,154.12 54.21,152.58 54.52,152.89 55.4,152.89
  Bottom 1.778: v51.91,151.81 51.65,151.64
  Bottom 2.54: 49.06,151.64 51.65,151.64 57.39,151.64 57.82,151.64 57.9,151.56 | JP33.7 55.4,152.89
M1O28  (via drill 0.6)
  Top 0.254: U$42.33 51.62,136.98 52.75,138.11 | 52.75,138.11 52.75,138.12 | 59.74,162.88 59.74,162.96 57.52,165.18 | 52.75,138.11 52.75,138.79 53.42,139.47 53.42,145.24 52.43,146.24 52.43,149.51 52.72,149.81 52.72,150.27 53.9,151.44 53.9,152.27 52.58,153.58 52.58,161.19 52.97,161.58 52.97,163.99 53.1,164.12 53.86,164.12 53.99,164.25 53.99,165.14 M1O27.P$1
  Top 0.813: 57.52,165.18 59.74,165.18 | 59.74,162.88 59.26,162.88 Q54.DRAIN | v61.74,142.66 61.58,142.82
  Top 1.676: 61.58,142.82 59.62,142.82 v59.45,142.66
  Top 2.54: Q51.SOURCE M1O27.P$1 57.52,165.18
  Bottom 0.254: 51.23,142.72 50.99,142.52 48.44,142.52 48.78,142.18 48.78,140.3 49.54,140.3 JP33.18
  Bottom 0.61: 53.86,165.1 M1O27.P$1
  Bottom 0.813: v59.45,142.66 57.32,142.66 | 57.32,142.66 56.86,142.66 JP33.15 | JP33.17 57.67,140.18 57.73,140.25 57.73,140.7 57.7,140.73 | 57.62,142.08 57.62,142.36 57.32,142.66 | JP33.16 48.22,142.72 48.17,142.64
  Bottom 1.27: v61.74,142.66 62.29,143.21 62.29,143.24 | 51.23,142.72 56.74,142.72 JP33.15
  Bottom 1.422: 48.17,142.64 48.18,140.85 48.78,140.3
  Bottom 1.778: 62.29,143.24 62.29,143.97 61.16,145.1 61.16,162.02 58,165.18 M1O27.P$1 | 57.7,140.73 57.7,142 57.62,142.08
M1O29  (via drill 0.6)
  Top 0.254: U$45.39 85.45,138.11 86.69,139.35 86.69,140.69 87.01,141.01 87.01,142.4 87.96,143.35 87.96,144.28 86.5,145.8 86.45,146.06 86.49,146.06 86.49,146.14 86.5,146.14 86.5,146.51 v86.36,146.64